# EAGLE board working (EAGLE 9.6.2), part 28 of 28
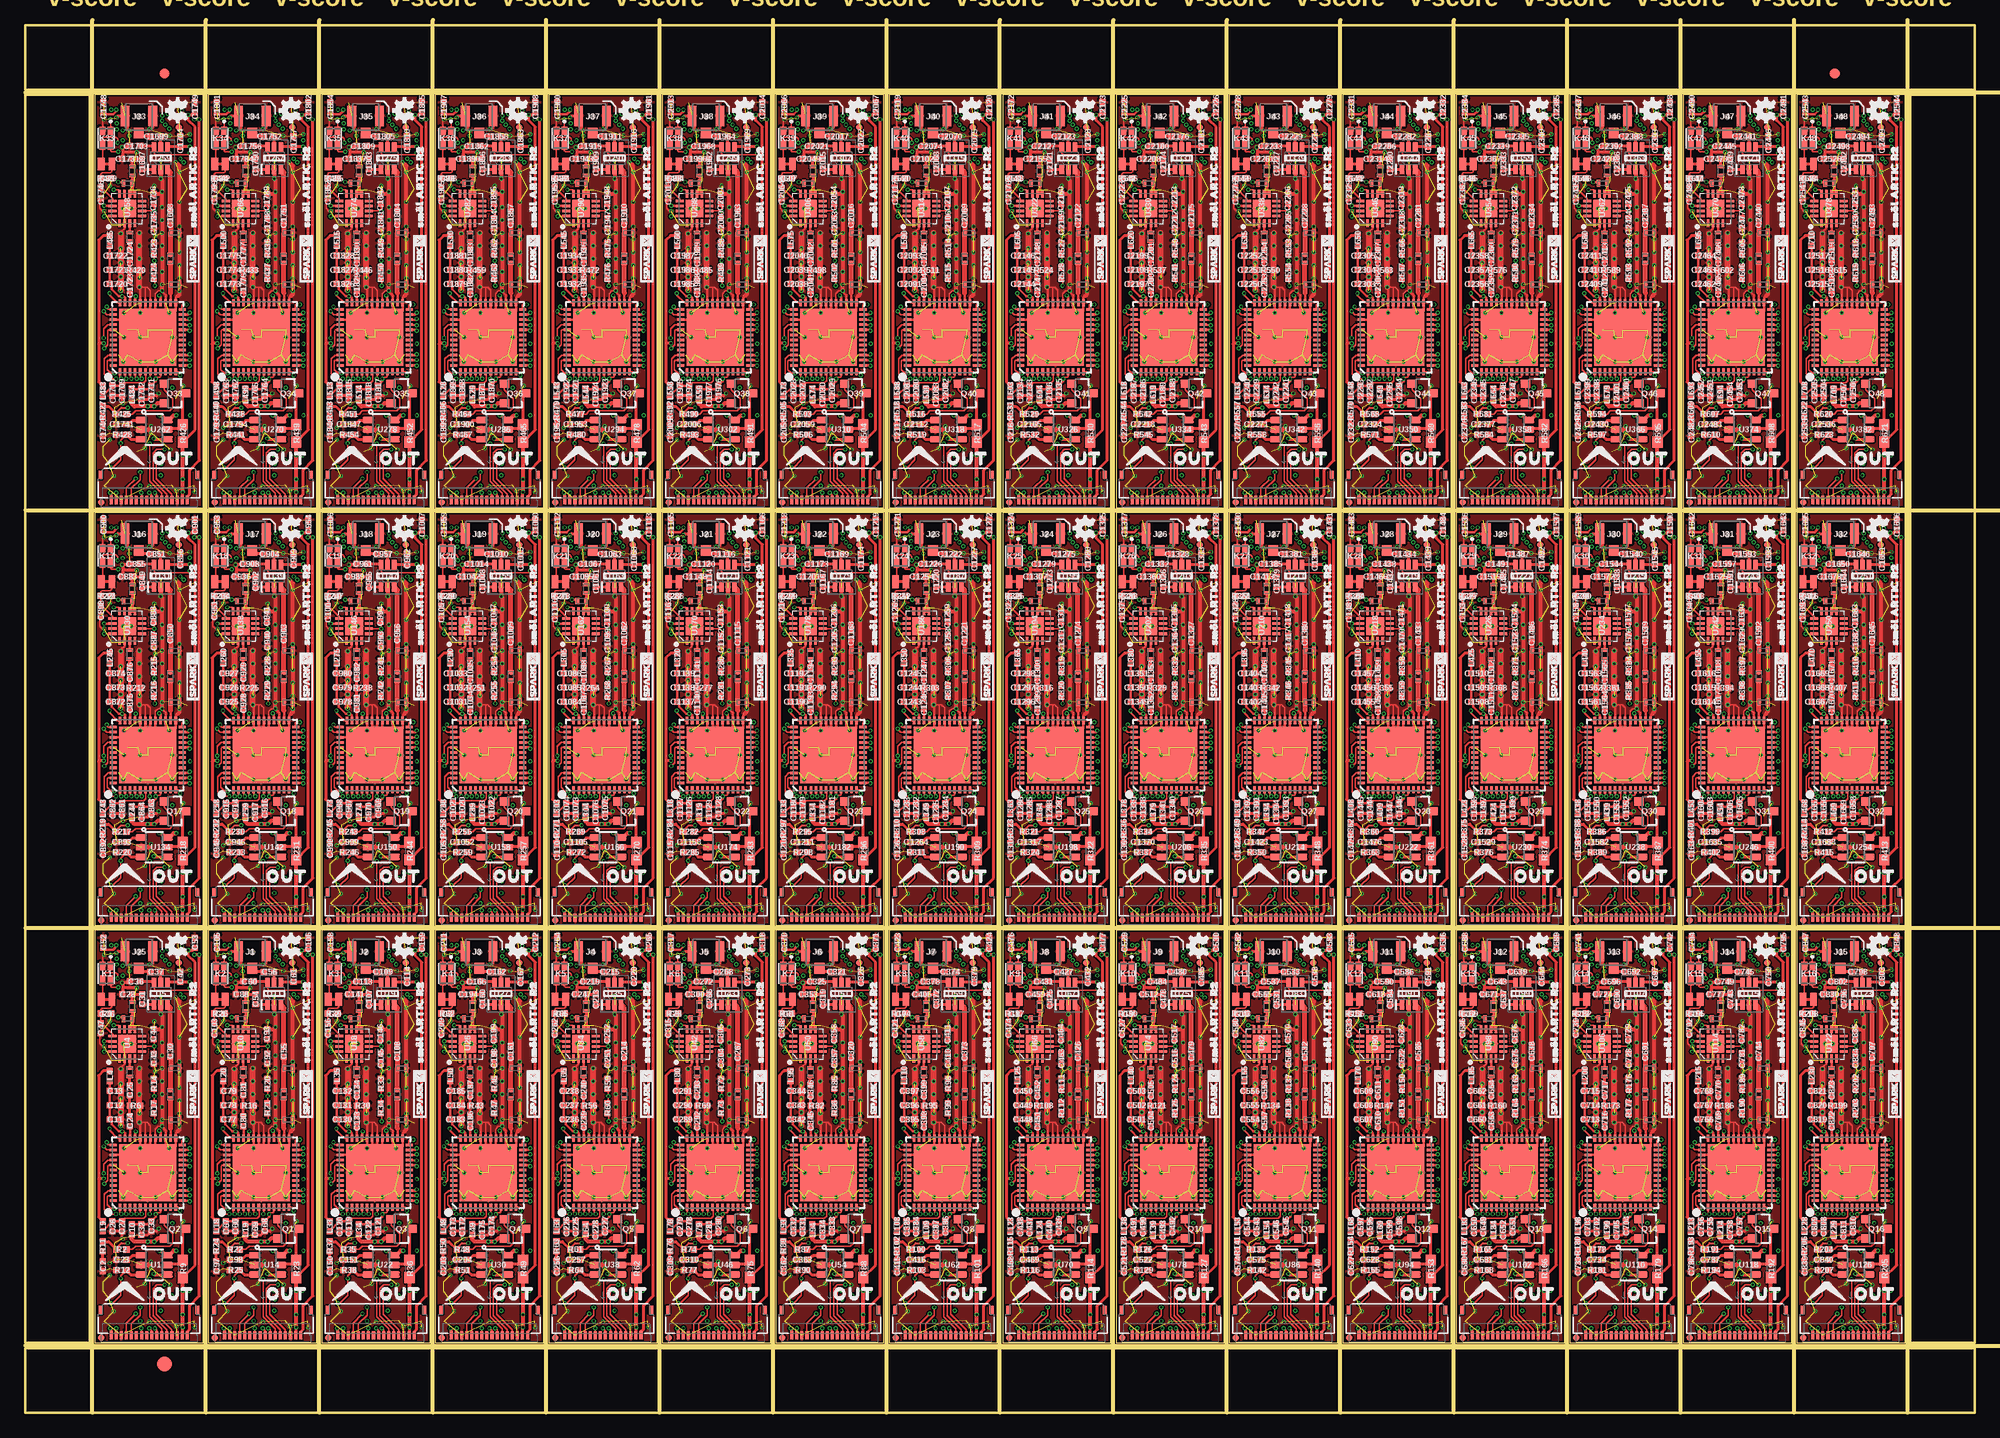
[diagram p0: board, top side]
## Tracks (layer width: path | path; a pad name or v marks a point on that pad's centre or on a via) (continued)
VDD39  (via drill 0.2) (continued)
  Bottom 0.254: C2103.1 87.5,121.35 v87.38,121.22 87.38,120.64 R513.2
  Bottom 0.406: C2103.1 C2104.1 C2105.1 88.02,123.77 88.96,124.71 92.3,124.71 v93.84,123.17 | L600.2 92.08,98.93 91.89,99.12 v90.93,99.12 90.62,99.12 | 90.62,99.12 v90.3,99.12 | C2114.1 87.19,96.4 U316.1 87.11,96.43 87.11,95.37 C2072.1 C2113.1 87.95,94.23 88.21,94.49 C2118.1 88.17,94.64 U320.8 89.37,93.3 91.44,95.38 91.44,97.09 90.62,97.92 90.62,99.12 | v93.84,123.17 v93.51,123.51 | L591.2 87.19,112.59 90.93,112.59 91.38,113.03 92.2,113.03 92.9,113.73 94.3,113.73 VDD39.1 94.23,115.44 94.23,118.68 95.12,119.57 U317.3 C2115.1 94.27,121.99 94.27,122.12 | U317.1 93.22,121.07 94.27,122.12 | 94.27,122.12 94.27,122.75 v93.84,123.17 | v94.45,105.3 93.73,106.02 L587.2
VDD40  (via drill 0.2)
  Top 0.254: L610.P$1 98.95,121.22 v98.55,121.22
  Top 0.406: Q41.2 102.44,99.44 102.12,99.12 v102.11,99.12 v101.47,99.12 100.15,99.12 99.89,99.39 L604.2
  Route15 0.254: v105.63,105.3 102.93,105.3
  Route15 0.305: v104.68,123.51 v105.01,123.17 105.09,123.1 105.09,110.17 103.95,109.03 103.51,109.03 102.93,108.46 102.93,105.3 102.93,101.73 101.79,100.58 101.79,99.12
  Route15 0.406: v101.47,99.12 101.79,99.12 v102.11,99.12
  Bottom 0.203: U324.1 98.31,97.27 98.11,97.47 97.22,97.47 97.01,97.27 U324.3
  Bottom 0.254: C2156.1 98.68,121.35 v98.55,121.22 98.55,120.64 R526.2
  Bottom 0.406: C2156.1 C2157.1 C2158.1 99.2,123.77 100.14,124.71 103.48,124.71 v105.01,123.17 | L615.2 103.26,98.93 103.07,99.12 v102.11,99.12 101.79,99.12 | 101.79,99.12 v101.47,99.12 | C2167.1 98.37,96.4 U324.1 98.29,96.43 98.29,95.37 C2125.1 C2166.1 99.13,94.23 99.39,94.49 C2171.1 99.35,94.64 U328.8 100.54,93.3 102.62,95.38 102.62,97.09 101.79,97.92 101.79,99.12 | v105.01,123.17 v104.68,123.51 | L606.2 98.37,112.59 102.11,112.59 102.55,113.03 103.38,113.03 104.08,113.73 105.47,113.73 VDD40.1 105.41,115.44 105.41,118.68 106.3,119.57 U325.3 C2168.1 105.44,121.99 105.44,122.12 | U325.1 104.4,121.07 105.44,122.12 | 105.44,122.12 105.44,122.75 v105.01,123.17 | v105.63,105.3 104.9,106.02 L602.2
VDD41  (via drill 0.2)
  Top 0.254: L625.P$1 110.12,121.22 v109.73,121.22
  Top 0.406: Q42.2 113.62,99.44 v113.3,99.12 v113.28,99.12 v112.65,99.12 111.32,99.12 111.06,99.39 L619.2
  Route15 0.254: v116.8,105.3 114.11,105.3
  Route15 0.305: v115.86,123.51 v116.19,123.17 116.27,123.1 116.27,110.17 115.12,109.03 114.68,109.03 114.11,108.46 114.11,105.3 114.11,101.73 112.97,100.58 112.97,99.12
  Route15 0.406: v112.65,99.12 112.97,99.12 v113.28,99.12
  Bottom 0.203: U332.1 109.49,97.27 109.28,97.47 108.4,97.47 108.19,97.27 U332.3
  Bottom 0.254: C2209.1 109.86,121.35 v109.73,121.22 109.73,120.64 R539.2
  Bottom 0.406: C2209.1 C2210.1 C2211.1 110.37,123.77 111.31,124.71 114.65,124.71 v116.19,123.17 | L630.2 114.44,98.93 114.24,99.12 v113.28,99.12 112.97,99.12 | 112.97,99.12 v112.65,99.12 | C2220.1 109.55,96.4 U332.1 109.46,96.43 109.46,95.37 C2178.1 C2219.1 110.31,94.23 110.56,94.49 C2224.1 110.53,94.64 U336.8 111.72,93.3 113.79,95.38 113.79,97.09 112.97,97.92 112.97,99.12 | v116.19,123.17 v115.86,123.51 | L621.2 109.55,112.59 113.28,112.59 113.73,113.03 114.55,113.03 115.25,113.73 116.65,113.73 VDD41.1 116.59,115.44 116.59,118.68 117.47,119.57 U333.3 C2221.1 116.62,121.99 116.62,122.12 | U333.1 115.57,121.07 116.62,122.12 | 116.62,122.12 116.62,122.75 v116.19,123.17 | v116.8,105.3 116.08,106.02 L617.2
VDD42  (via drill 0.2)
  Top 0.254: L640.P$1 121.3,121.22 v120.9,121.22
  Top 0.406: Q43.2 124.79,99.44 124.47,99.12 v124.46,99.12 v123.83,99.12 122.5,99.12 122.24,99.39 L634.2
  Route15 0.254: v127.98,105.3 125.29,105.3
  Route15 0.305: v127.03,123.51 v127.37,123.17 127.45,123.1 127.45,110.17 126.3,109.03 125.86,109.03 125.29,108.46 125.29,105.3 125.29,101.73 124.14,100.58 124.14,99.12
  Route15 0.406: v123.83,99.12 124.14,99.12 v124.46,99.12
  Bottom 0.203: U340.1 120.67,97.27 120.46,97.47 119.57,97.47 119.37,97.27 U340.3
  Bottom 0.254: C2262.1 121.03,121.35 v120.9,121.22 120.9,120.64 R552.2
  Bottom 0.406: C2262.1 C2263.1 C2264.1 121.55,123.77 122.49,124.71 125.83,124.71 v127.37,123.17 | L645.2 125.61,98.93 125.42,99.12 v124.46,99.12 124.14,99.12 | 124.14,99.12 v123.83,99.12 | C2273.1 120.72,96.4 U340.1 120.64,96.43 120.64,95.37 C2231.1 C2272.1 121.48,94.23 121.74,94.49 C2277.1 121.7,94.64 U344.8 122.9,93.3 124.97,95.38 124.97,97.09 124.14,97.92 124.14,99.12 | v127.37,123.17 v127.03,123.51 | L636.2 120.72,112.59 124.46,112.59 124.9,113.03 125.73,113.03 126.43,113.73 127.83,113.73 VDD42.1 127.76,115.44 127.76,118.68 128.65,119.57 U341.3 C2274.1 127.8,121.99 127.8,122.12 | U341.1 126.75,121.07 127.8,122.12 | 127.8,122.12 127.8,122.75 v127.37,123.17 | v127.98,105.3 127.25,106.02 L632.2
VDD43  (via drill 0.2)
  Top 0.254: L655.P$1 132.47,121.22 v132.08,121.22
  Top 0.406: Q44.2 135.97,99.44 135.65,99.12 v135.64,99.12 v135,99.12 133.67,99.12 133.41,99.39 L649.2
  Route15 0.254: v139.16,105.3 136.46,105.3
  Route15 0.305: v138.21,123.51 v138.54,123.17 138.62,123.1 138.62,110.17 137.48,109.03 137.03,109.03 136.46,108.46 136.46,105.3 136.46,101.73 135.32,100.58 135.32,99.12
  Route15 0.406: v135,99.12 135.32,99.12 v135.64,99.12
  Bottom 0.203: U348.1 131.84,97.27 131.64,97.47 130.75,97.47 130.54,97.27 U348.3
  Bottom 0.254: C2315.1 132.21,121.35 v132.08,121.22 132.08,120.64 R565.2
  Bottom 0.406: C2315.1 C2316.1 C2317.1 132.72,123.77 133.67,124.71 137,124.71 v138.54,123.17 | L660.2 136.79,98.93 136.6,99.12 v135.64,99.12 135.32,99.12 | 135.32,99.12 v135,99.12 | C2326.1 131.9,96.4 U348.1 131.81,96.43 131.81,95.37 C2284.1 C2325.1 132.66,94.23 132.91,94.49 C2330.1 132.88,94.64 U352.8 134.07,93.3 136.14,95.38 136.14,97.09 135.32,97.92 135.32,99.12 | v138.54,123.17 v138.21,123.51 | L651.2 131.9,112.59 135.64,112.59 136.08,113.03 136.91,113.03 137.6,113.73 139,113.73 VDD43.1 138.94,115.44 138.94,118.68 139.82,119.57 U349.3 C2327.1 138.97,121.99 138.97,122.12 | U349.1 137.92,121.07 138.97,122.12 | 138.97,122.12 138.97,122.75 v138.54,123.17 | v139.16,105.3 138.43,106.02 L647.2
VDD44  (via drill 0.2)
  Top 0.254: L670.P$1 143.65,121.22 v143.26,121.22
  Top 0.406: Q45.2 147.15,99.44 146.83,99.12 v146.81,99.12 v146.18,99.12 144.85,99.12 144.59,99.39 L664.2
  Route15 0.254: v150.33,105.3 147.64,105.3
  Route15 0.305: v149.39,123.51 v149.72,123.17 149.8,123.1 149.8,110.17 148.65,109.03 148.21,109.03 147.64,108.46 147.64,105.3 147.64,101.73 146.5,100.58 146.5,99.12
  Route15 0.406: v146.18,99.12 146.5,99.12 v146.81,99.12
  Bottom 0.203: U356.1 143.02,97.27 142.81,97.47 141.92,97.47 141.72,97.27 U356.3
  Bottom 0.254: C2368.1 143.38,121.35 v143.26,121.22 143.26,120.64 R578.2
  Bottom 0.406: C2368.1 C2369.1 C2370.1 143.9,123.77 144.84,124.71 148.18,124.71 v149.72,123.17 | L675.2 147.96,98.93 147.77,99.12 v146.81,99.12 146.5,99.12 | 146.5,99.12 v146.18,99.12 | C2379.1 143.07,96.4 U356.1 142.99,96.43 142.99,95.37 C2337.1 C2378.1 143.84,94.23 144.09,94.49 C2383.1 144.05,94.64 U360.8 145.25,93.3 147.32,95.38 147.32,97.09 146.5,97.92 146.5,99.12 | v149.72,123.17 v149.39,123.51 | L666.2 143.07,112.59 146.81,112.59 147.26,113.03 148.08,113.03 148.78,113.73 150.18,113.73 VDD44.1 150.11,115.44 150.11,118.68 151,119.57 U357.3 C2380.1 150.15,121.99 150.15,122.12 | U357.1 149.1,121.07 150.15,122.12 | 150.15,122.12 150.15,122.75 v149.72,123.17 | v150.33,105.3 149.61,106.02 L662.2
VDD45  (via drill 0.2)
  Top 0.254: L685.P$1 154.83,121.22 v154.43,121.22
  Top 0.406: Q46.2 158.32,99.44 158,99.12 v157.99,99.12 v157.35,99.12 156.03,99.12 155.77,99.39 L679.2
  Route15 0.254: v161.51,105.3 158.81,105.3
  Route15 0.305: v160.56,123.51 v160.89,123.17 160.97,123.1 160.97,110.17 159.83,109.03 159.38,109.03 158.81,108.46 158.81,105.3 158.81,101.73 157.67,100.58 157.67,99.12
  Route15 0.406: v157.35,99.12 157.67,99.12 v157.99,99.12
  Bottom 0.203: U364.1 154.19,97.27 153.99,97.47 153.1,97.47 152.89,97.27 U364.3
  Bottom 0.254: C2421.1 154.56,121.35 v154.43,121.22 154.43,120.64 R591.2
  Bottom 0.406: C2421.1 C2422.1 C2423.1 155.08,123.77 156.02,124.71 159.36,124.71 v160.89,123.17 | L690.2 159.14,98.93 158.95,99.12 v157.99,99.12 157.67,99.12 | 157.67,99.12 v157.35,99.12 | C2432.1 154.25,96.4 U364.1 154.17,96.43 154.17,95.37 C2390.1 C2431.1 155.01,94.23 155.27,94.49 C2436.1 155.23,94.64 U368.8 156.42,93.3 158.5,95.38 158.5,97.09 157.67,97.92 157.67,99.12 | v160.89,123.17 v160.56,123.51 | L681.2 154.25,112.59 157.99,112.59 158.43,113.03 159.26,113.03 159.96,113.73 161.35,113.73 VDD45.1 161.29,115.44 161.29,118.68 162.18,119.57 U365.3 C2433.1 161.32,121.99 161.32,122.12 | U365.1 160.28,121.07 161.32,122.12 | 161.32,122.12 161.32,122.75 v160.89,123.17 | v161.51,105.3 160.78,106.02 L677.2
VDD46  (via drill 0.2)
  Top 0.254: L700.P$1 166,121.22 v165.61,121.22
  Top 0.406: Q47.2 169.5,99.44 v169.18,99.12 v169.16,99.12 v168.53,99.12 167.2,99.12 166.94,99.39 L694.2
  Route15 0.254: v172.68,105.3 169.99,105.3
  Route15 0.305: v171.74,123.51 v172.07,123.17 172.15,123.1 172.15,110.17 171.01,109.03 170.56,109.03 169.99,108.46 169.99,105.3 169.99,101.73 168.85,100.58 168.85,99.12
  Route15 0.406: v168.53,99.12 168.85,99.12 v169.16,99.12
  Bottom 0.203: U372.1 165.37,97.27 165.16,97.47 164.28,97.47 164.07,97.27 U372.3
  Bottom 0.254: C2474.1 165.74,121.35 v165.61,121.22 165.61,120.64 R604.2
  Bottom 0.406: C2474.1 C2475.1 C2476.1 166.25,123.77 167.2,124.71 170.53,124.71 v172.07,123.17 | L705.2 170.31,98.93 170.12,99.12 v169.16,99.12 168.85,99.12 | 168.85,99.12 v168.53,99.12 | C2485.1 165.43,96.4 U372.1 165.34,96.43 165.34,95.37 C2443.1 C2484.1 166.19,94.23 166.44,94.49 C2489.1 166.41,94.64 U376.8 167.6,93.3 169.67,95.38 169.67,97.09 168.85,97.92 168.85,99.12 | v172.07,123.17 v171.74,123.51 | L696.2 165.43,112.59 169.16,112.59 169.61,113.03 170.43,113.03 171.13,113.73 172.53,113.73 VDD46.1 172.47,115.44 172.47,118.68 173.35,119.57 U373.3 C2486.1 172.5,121.99 172.5,122.12 | U373.1 171.45,121.07 172.5,122.12 | 172.5,122.12 172.5,122.75 v172.07,123.17 | v172.68,105.3 171.96,106.02 L692.2
VDD47  (via drill 0.2)
  Top 0.254: L715.P$1 177.18,121.22 v176.78,121.22
  Top 0.406: Q48.2 180.67,99.44 180.35,99.12 v180.34,99.12 v179.71,99.12 178.38,99.12 178.12,99.39 L709.2
  Route15 0.254: v183.86,105.3 181.17,105.3
  Route15 0.305: v182.91,123.51 v183.25,123.17 183.32,123.1 183.32,110.17 182.18,109.03 181.74,109.03 181.17,108.46 181.17,105.3 181.17,101.73 180.02,100.58 180.02,99.12
  Route15 0.406: v179.71,99.12 180.02,99.12 v180.34,99.12
  Bottom 0.203: U380.1 176.55,97.27 176.34,97.47 175.45,97.47 175.25,97.27 U380.3
  Bottom 0.254: C2527.1 176.91,121.35 v176.78,121.22 176.78,120.64 R617.2
  Bottom 0.406: C2527.1 C2528.1 C2529.1 177.43,123.77 178.37,124.71 181.71,124.71 v183.25,123.17 | L720.2 181.49,98.93 181.3,99.12 v180.34,99.12 180.02,99.12 | 180.02,99.12 v179.71,99.12 | C2538.1 176.6,96.4 U380.1 176.52,96.43 176.52,95.37 C2496.1 C2537.1 177.36,94.23 177.62,94.49 C2542.1 177.58,94.64 U384.8 178.78,93.3 180.85,95.38 180.85,97.09 180.02,97.92 180.02,99.12 | v183.25,123.17 v182.91,123.51 | L711.2 176.6,112.59 180.34,112.59 180.78,113.03 181.61,113.03 182.31,113.73 183.71,113.73 VDD47.1 183.64,115.44 183.64,118.68 184.53,119.57 U381.3 C2539.1 183.68,121.99 183.68,122.12 | U381.1 182.63,121.07 183.68,122.12 | 183.68,122.12 183.68,122.75 v183.25,123.17 | v183.86,105.3 183.13,106.02 L707.2
VREF1  (via drill 0.2)
  Top 0.152: G16.2 7.6,40.82 K1.3 7.6,43.22 7.71,43.34 8.92,43.34 9.08,43.18 v9.08,42.8 | v7.75,35.56 v7.76,35.57 U4.16
  Bottom 0.152: v7.75,35.56 7.3,35.56 7.18,35.69 7.18,41.53 7.37,41.72 7.73,41.72 8.81,42.8 v9.08,42.8 | C21.2 8.46,35.56 v7.75,35.56 | 3V0.1 7.49,34.92 7.75,35.18 v7.75,35.56
  Bottom 0.406: U6.5 14.99,35.31 14.29,34.61 11.87,34.61 10.8,35.68 C20.2 C21.2
VREF2  (via drill 0.2)
  Top 0.152: G1.2 18.78,40.82 K2.3 18.78,43.22 18.89,43.34 20.1,43.34 20.26,43.18 v20.26,42.8 | v18.92,35.56 18.93,35.57 U10.16
  Bottom 0.152: v18.92,35.56 18.48,35.56 18.35,35.69 18.35,41.53 18.54,41.72 18.91,41.72 19.99,42.8 v20.26,42.8 | C83.2 19.63,35.56 v18.92,35.56 | 3V1.1 18.67,34.92 18.92,35.18 v18.92,35.56
  Bottom 0.406: U13.5 26.16,35.31 25.46,34.61 23.05,34.61 21.98,35.68 C84.2 C83.2
VREF3  (via drill 0.2)
  Top 0.152: G2.2 29.95,40.82 K3.3 29.95,43.22 30.07,43.34 31.27,43.34 31.43,43.18 v31.43,42.8 | v30.1,35.56 v30.11,35.57 U18.16
  Bottom 0.152: v30.1,35.56 29.65,35.56 29.53,35.69 29.53,41.53 29.72,41.72 30.09,41.72 31.16,42.8 v31.43,42.8 | C136.2 30.81,35.56 v30.1,35.56 | 3V2.1 29.84,34.92 30.1,35.18 v30.1,35.56
  Bottom 0.406: U21.5 37.34,35.31 36.64,34.61 34.23,34.61 33.16,35.68 C137.2 C136.2
VREF4  (via drill 0.2)
  Top 0.152: G3.2 41.13,40.82 K4.3 41.13,43.22 41.24,43.34 42.45,43.34 42.61,43.18 v42.61,42.8 | v41.27,35.56 v41.28,35.57 U26.16
  Bottom 0.152: v41.27,35.56 40.83,35.56 40.7,35.69 40.7,41.53 40.89,41.72 41.26,41.72 42.34,42.8 v42.61,42.8 | C189.2 41.98,35.56 v41.27,35.56 | 3V3.1 41.02,34.92 41.27,35.18 v41.27,35.56
  Bottom 0.406: U29.5 48.52,35.31 47.82,34.61 45.4,34.61 44.33,35.68 C190.2 C189.2
VREF5  (via drill 0.2)
  Top 0.152: G4.2 52.3,40.82 K5.3 52.3,43.22 52.42,43.34 53.63,43.34 53.78,43.18 v53.78,42.8 | v52.45,35.56 52.46,35.57 U34.16
  Bottom 0.152: v52.45,35.56 52,35.56 51.88,35.69 51.88,41.53 52.07,41.72 52.44,41.72 53.52,42.8 v53.78,42.8 | C242.2 53.16,35.56 v52.45,35.56 | 3V4.1 52.2,34.92 52.45,35.18 v52.45,35.56
  Bottom 0.406: U37.5 59.69,35.31 58.99,34.61 56.58,34.61 55.51,35.68 C243.2 C242.2
VREF6  (via drill 0.2)
  Top 0.152: G5.2 63.48,40.82 K6.3 63.48,43.22 63.59,43.34 64.8,43.34 64.96,43.18 v64.96,42.8 | v63.63,35.56 v63.64,35.57 U42.16
  Bottom 0.152: v63.63,35.56 63.18,35.56 63.05,35.69 63.05,41.53 63.25,41.72 63.61,41.72 64.69,42.8 v64.96,42.8 | C295.2 64.34,35.56 v63.63,35.56 | 3V5.1 63.37,34.92 63.63,35.18 v63.63,35.56
  Bottom 0.406: U45.5 70.87,35.31 70.17,34.61 67.75,34.61 66.68,35.68 C296.2 C295.2
VREF7  (via drill 0.2)
  Top 0.152: G6.2 74.66,40.82 K7.3 74.66,43.22 74.77,43.34 75.98,43.34 76.14,43.18 v76.14,42.8 | v74.8,35.56 74.81,35.57 U50.16
  Bottom 0.152: v74.8,35.56 74.36,35.56 74.23,35.69 74.23,41.53 74.42,41.72 74.79,41.72 75.87,42.8 v76.14,42.8 | C348.2 75.51,35.56 v74.8,35.56 | 3V6.1 74.55,34.92 74.8,35.18 v74.8,35.56
  Bottom 0.406: U53.5 82.04,35.31 81.34,34.61 78.93,34.61 77.86,35.68 C349.2 C348.2
VREF8  (via drill 0.2)
  Top 0.152: G7.2 85.83,40.82 K8.3 85.83,43.22 85.95,43.34 87.15,43.34 87.31,43.18 v87.31,42.8 | v85.98,35.56 v85.99,35.57 U58.16
  Bottom 0.152: v85.98,35.56 85.53,35.56 85.41,35.69 85.41,41.53 85.6,41.72 85.97,41.72 87.04,42.8 v87.31,42.8 | C401.2 86.69,35.56 v85.98,35.56 | 3V7.1 85.73,34.92 85.98,35.18 v85.98,35.56
  Bottom 0.406: U61.5 93.22,35.31 92.52,34.61 90.11,34.61 89.04,35.68 C402.2 C401.2
VREF9  (via drill 0.2)
  Top 0.152: G8.2 97.01,40.82 K9.3 97.01,43.22 97.12,43.34 98.33,43.34 98.49,43.18 v98.49,42.8 | v97.16,35.56 v97.16,35.57 U66.16
  Bottom 0.152: v97.16,35.56 96.71,35.56 96.58,35.69 96.58,41.53 96.77,41.72 97.14,41.72 98.22,42.8 v98.49,42.8 | C454.2 97.87,35.56 v97.16,35.56 | 3V8.1 96.9,34.92 97.16,35.18 v97.16,35.56
  Bottom 0.406: U69.5 104.4,35.31 103.7,34.61 101.28,34.61 100.21,35.68 C455.2 C454.2
VREF10  (via drill 0.2)
  Top 0.152: G9.2 108.19,40.82 K10.3 108.19,43.22 108.3,43.34 109.51,43.34 109.66,43.18 v109.66,42.8 | v108.33,35.56 108.34,35.57 U74.16
  Bottom 0.152: v108.33,35.56 107.88,35.56 107.76,35.69 107.76,41.53 107.95,41.72 108.32,41.72 109.4,42.8 v109.66,42.8 | C507.2 109.04,35.56 v108.33,35.56 | 3V9.1 108.08,34.92 108.33,35.18 v108.33,35.56
  Bottom 0.406: U77.5 115.57,35.31 114.87,34.61 112.46,34.61 111.39,35.68 C508.2 C507.2
VREF11  (via drill 0.2)
  Top 0.152: G10.2 119.36,40.82 K11.3 119.36,43.22 119.48,43.34 120.68,43.34 120.84,43.18 v120.84,42.8 | v119.51,35.56 v119.52,35.57 U82.16
  Bottom 0.152: v119.51,35.56 119.06,35.56 118.94,35.69 118.94,41.53 119.13,41.72 119.49,41.72 120.57,42.8 v120.84,42.8 | C560.2 120.22,35.56 v119.51,35.56 | 3V10.1 119.25,34.92 119.51,35.18 v119.51,35.56
  Bottom 0.406: U85.5 126.75,35.31 126.05,34.61 123.63,34.61 122.56,35.68 C561.2 C560.2
VREF12  (via drill 0.2)
  Top 0.152: G11.2 130.54,40.82 K12.3 130.54,43.22 130.65,43.34 131.86,43.34 132.02,43.18 v132.02,42.8 | v130.68,35.56 v130.69,35.57 U90.16
  Bottom 0.152: v130.68,35.56 130.23,35.56 130.11,35.69 130.11,41.53 130.3,41.72 130.67,41.72 131.75,42.8 v132.02,42.8 | C613.2 131.39,35.56 v130.68,35.56 | 3V11.1 130.43,34.92 130.68,35.18 v130.68,35.56
  Bottom 0.406: U93.5 137.92,35.31 137.22,34.61 134.81,34.61 133.74,35.68 C614.2 C613.2
VREF13  (via drill 0.2)
  Top 0.152: G12.2 141.71,40.82 K13.3 141.71,43.22 141.83,43.34 143.03,43.34 143.19,43.18 v143.19,42.8 | v141.86,35.56 v141.87,35.57 U98.16
  Bottom 0.152: v141.86,35.56 141.41,35.56 141.29,35.69 141.29,41.53 141.48,41.72 141.84,41.72 142.92,42.8 v143.19,42.8 | C666.2 142.57,35.56 v141.86,35.56 | 3V12.1 141.61,34.92 141.86,35.18 v141.86,35.56
  Bottom 0.406: U101.5 149.1,35.31 148.4,34.61 145.99,34.61 144.91,35.68 C667.2 C666.2
VREF14  (via drill 0.2)
  Top 0.152: G13.2 152.89,40.82 K14.3 152.89,43.22 153,43.34 154.21,43.34 154.37,43.18 v154.37,42.8 | v153.03,35.56 v153.04,35.57 U106.16
  Bottom 0.152: v153.03,35.56 152.59,35.56 152.46,35.69 152.46,41.53 152.65,41.72 153.02,41.72 154.1,42.8 v154.37,42.8 | C719.2 153.75,35.56 v153.03,35.56 | 3V13.1 152.78,34.92 153.03,35.18 v153.03,35.56
  Bottom 0.406: U109.5 160.28,35.31 159.58,34.61 157.16,34.61 156.09,35.68 C720.2 C719.2
VREF15  (via drill 0.2)
  Top 0.152: G14.2 164.06,40.82 K15.3 164.06,43.22 164.18,43.34 165.39,43.34 165.54,43.18 v165.54,42.8 | v164.21,35.56 164.22,35.57 U114.16
  Bottom 0.152: v164.21,35.56 163.76,35.56 163.64,35.69 163.64,41.53 163.83,41.72 164.2,41.72 165.28,42.8 v165.54,42.8 | C772.2 164.92,35.56 v164.21,35.56 | 3V14.1 163.96,34.92 164.21,35.18 v164.21,35.56
  Bottom 0.406: U117.5 171.45,35.31 170.75,34.61 168.34,34.61 167.27,35.68 C773.2 C772.2
VREF16  (via drill 0.2)
  Top 0.152: G15.2 175.24,40.82 K16.3 175.24,43.22 175.36,43.34 176.56,43.34 176.72,43.18 v176.72,42.8 | v175.39,35.56 v175.4,35.57 U122.16
  Bottom 0.152: v175.39,35.56 174.94,35.56 174.82,35.69 174.82,41.53 175.01,41.72 175.37,41.72 176.45,42.8 v176.72,42.8 | C825.2 176.1,35.56 v175.39,35.56 | 3V15.1 175.13,34.92 175.39,35.18 v175.39,35.56
  Bottom 0.406: U125.5 182.63,35.31 181.93,34.61 179.51,34.61 178.44,35.68 C826.2 C825.2
VREF17  (via drill 0.2)
  Top 0.152: G17.2 7.6,81.97 K17.3 7.6,84.37 7.71,84.49 8.92,84.49 9.08,84.33 v9.08,83.95 | v7.75,76.71 7.76,76.72 U130.16
  Bottom 0.152: v7.75,76.71 7.3,76.71 7.18,76.84 7.18,82.68 7.37,82.87 7.73,82.87 8.81,83.95 v9.08,83.95 | C878.2 8.46,76.71 v7.75,76.71 | 3V16.1 7.49,76.07 7.75,76.33 v7.75,76.71
  Bottom 0.406: U133.5 14.99,76.46 14.29,75.76 11.87,75.76 10.8,76.83 C879.2 C878.2
VREF18  (via drill 0.2)
  Top 0.152: G18.2 18.78,81.97 K18.3 18.78,84.37 18.89,84.49 20.1,84.49 20.26,84.33 v20.26,83.95 | v18.92,76.71 18.93,76.72 U138.16
  Bottom 0.152: v18.92,76.71 18.48,76.71 18.35,76.84 18.35,82.68 18.54,82.87 18.91,82.87 19.99,83.95 v20.26,83.95 | C931.2 19.63,76.71 v18.92,76.71 | 3V17.1 18.67,76.07 18.92,76.33 v18.92,76.71
  Bottom 0.406: U141.5 26.16,76.46 25.46,75.76 23.05,75.76 21.98,76.83 C932.2 C931.2
VREF19  (via drill 0.2)
  Top 0.152: G19.2 29.95,81.97 K19.3 29.95,84.37 30.07,84.49 31.27,84.49 31.43,84.33 v31.43,83.95 | v30.1,76.71 30.11,76.72 U146.16
  Bottom 0.152: v30.1,76.71 29.65,76.71 29.53,76.84 29.53,82.68 29.72,82.87 30.09,82.87 31.16,83.95 v31.43,83.95 | C984.2 30.81,76.71 v30.1,76.71 | 3V18.1 29.84,76.07 30.1,76.33 v30.1,76.71
  Bottom 0.406: U149.5 37.34,76.46 36.64,75.76 34.23,75.76 33.16,76.83 C985.2 C984.2
VREF20  (via drill 0.2)
  Top 0.152: G20.2 41.13,81.97 K20.3 41.13,84.37 41.24,84.49 42.45,84.49 42.61,84.33 v42.61,83.95 | v41.27,76.71 41.28,76.72 U154.16
  Bottom 0.152: v41.27,76.71 40.83,76.71 40.7,76.84 40.7,82.68 40.89,82.87 41.26,82.87 42.34,83.95 v42.61,83.95 | C1037.2 41.98,76.71 v41.27,76.71 | 3V19.1 41.02,76.07 41.27,76.33 v41.27,76.71
  Bottom 0.406: U157.5 48.52,76.46 47.82,75.76 45.4,75.76 44.33,76.83 C1038.2 C1037.2
VREF21  (via drill 0.2)
  Top 0.152: G21.2 52.3,81.97 K21.3 52.3,84.37 52.42,84.49 53.63,84.49 53.78,84.33 v53.78,83.95 | v52.45,76.71 52.46,76.72 U162.16
  Bottom 0.152: v52.45,76.71 52,76.71 51.88,76.84 51.88,82.68 52.07,82.87 52.44,82.87 53.52,83.95 v53.78,83.95 | C1090.2 53.16,76.71 v52.45,76.71 | 3V20.1 52.2,76.07 52.45,76.33 v52.45,76.71
  Bottom 0.406: U165.5 59.69,76.46 58.99,75.76 56.58,75.76 55.51,76.83 C1091.2 C1090.2
VREF22  (via drill 0.2)
  Top 0.152: G22.2 63.48,81.97 K22.3 63.48,84.37 63.59,84.49 64.8,84.49 64.96,84.33 v64.96,83.95 | v63.63,76.71 63.64,76.72 U170.16
  Bottom 0.152: v63.63,76.71 63.18,76.71 63.05,76.84 63.05,82.68 63.25,82.87 63.61,82.87 64.69,83.95 v64.96,83.95 | C1143.2 64.34,76.71 v63.63,76.71 | 3V21.1 63.37,76.07 63.63,76.33 v63.63,76.71
  Bottom 0.406: U173.5 70.87,76.46 70.17,75.76 67.75,75.76 66.68,76.83 C1144.2 C1143.2
VREF23  (via drill 0.2)
  Top 0.152: G23.2 74.66,81.97 K23.3 74.66,84.37 74.77,84.49 75.98,84.49 76.14,84.33 v76.14,83.95 | v74.8,76.71 74.81,76.72 U178.16
  Bottom 0.152: v74.8,76.71 74.36,76.71 74.23,76.84 74.23,82.68 74.42,82.87 74.79,82.87 75.87,83.95 v76.14,83.95 | C1196.2 75.51,76.71 v74.8,76.71 | 3V22.1 74.55,76.07 74.8,76.33 v74.8,76.71
  Bottom 0.406: U181.5 82.04,76.46 81.34,75.76 78.93,75.76 77.86,76.83 C1197.2 C1196.2
VREF24  (via drill 0.2)
  Top 0.152: G24.2 85.83,81.97 K24.3 85.83,84.37 85.95,84.49 87.15,84.49 87.31,84.33 v87.31,83.95 | v85.98,76.71 85.99,76.72 U186.16
  Bottom 0.152: v85.98,76.71 85.53,76.71 85.41,76.84 85.41,82.68 85.6,82.87 85.97,82.87 87.04,83.95 v87.31,83.95 | C1249.2 86.69,76.71 v85.98,76.71 | 3V23.1 85.73,76.07 85.98,76.33 v85.98,76.71
  Bottom 0.406: U189.5 93.22,76.46 92.52,75.76 90.11,75.76 89.04,76.83 C1250.2 C1249.2
VREF25  (via drill 0.2)
  Top 0.152: G25.2 97.01,81.97 K25.3 97.01,84.37 97.12,84.49 98.33,84.49 98.49,84.33 v98.49,83.95 | v97.16,76.71 97.16,76.72 U194.16
  Bottom 0.152: v97.16,76.71 96.71,76.71 96.58,76.84 96.58,82.68 96.77,82.87 97.14,82.87 98.22,83.95 v98.49,83.95 | C1302.2 97.87,76.71 v97.16,76.71 | 3V24.1 96.9,76.07 97.16,76.33 v97.16,76.71
  Bottom 0.406: U197.5 104.4,76.46 103.7,75.76 101.28,75.76 100.21,76.83 C1303.2 C1302.2
VREF26  (via drill 0.2)
  Top 0.152: G26.2 108.19,81.97 K26.3 108.19,84.37 108.3,84.49 109.51,84.49 109.66,84.33 v109.66,83.95 | v108.33,76.71 108.34,76.72 U202.16
  Bottom 0.152: v108.33,76.71 107.88,76.71 107.76,76.84 107.76,82.68 107.95,82.87 108.32,82.87 109.4,83.95 v109.66,83.95 | C1355.2 109.04,76.71 v108.33,76.71 | 3V25.1 108.08,76.07 108.33,76.33 v108.33,76.71
  Bottom 0.406: U205.5 115.57,76.46 114.87,75.76 112.46,75.76 111.39,76.83 C1356.2 C1355.2
VREF27  (via drill 0.2)
  Top 0.152: G27.2 119.36,81.97 K27.3 119.36,84.37 119.48,84.49 120.68,84.49 120.84,84.33 v120.84,83.95 | v119.51,76.71 119.52,76.72 U210.16
  Bottom 0.152: v119.51,76.71 119.06,76.71 118.94,76.84 118.94,82.68 119.13,82.87 119.49,82.87 120.57,83.95 v120.84,83.95 | C1408.2 120.22,76.71 v119.51,76.71 | 3V26.1 119.25,76.07 119.51,76.33 v119.51,76.71
  Bottom 0.406: U213.5 126.75,76.46 126.05,75.76 123.63,75.76 122.56,76.83 C1409.2 C1408.2
VREF28  (via drill 0.2)
  Top 0.152: G28.2 130.54,81.97 K28.3 130.54,84.37 130.65,84.49 131.86,84.49 132.02,84.33 v132.02,83.95 | v130.68,76.71 130.69,76.72 U218.16
  Bottom 0.152: v130.68,76.71 130.23,76.71 130.11,76.84 130.11,82.68 130.3,82.87 130.67,82.87 131.75,83.95 v132.02,83.95 | C1461.2 131.39,76.71 v130.68,76.71 | 3V27.1 130.43,76.07 130.68,76.33 v130.68,76.71
  Bottom 0.406: U221.5 137.92,76.46 137.22,75.76 134.81,75.76 133.74,76.83 C1462.2 C1461.2
VREF29  (via drill 0.2)
  Top 0.152: G29.2 141.71,81.97 K29.3 141.71,84.37 141.83,84.49 143.03,84.49 143.19,84.33 v143.19,83.95 | v141.86,76.71 141.87,76.72 U226.16
  Bottom 0.152: v141.86,76.71 141.41,76.71 141.29,76.84 141.29,82.68 141.48,82.87 141.84,82.87 142.92,83.95 v143.19,83.95 | C1514.2 142.57,76.71 v141.86,76.71 | 3V28.1 141.61,76.07 141.86,76.33 v141.86,76.71
  Bottom 0.406: U229.5 149.1,76.46 148.4,75.76 145.99,75.76 144.91,76.83 C1515.2 C1514.2
VREF30  (via drill 0.2)
  Top 0.152: G30.2 152.89,81.97 K30.3 152.89,84.37 153,84.49 154.21,84.49 154.37,84.33 v154.37,83.95 | v153.03,76.71 153.04,76.72 U234.16
  Bottom 0.152: v153.03,76.71 152.59,76.71 152.46,76.84 152.46,82.68 152.65,82.87 153.02,82.87 154.1,83.95 v154.37,83.95 | C1567.2 153.75,76.71 v153.03,76.71 | 3V29.1 152.78,76.07 153.03,76.33 v153.03,76.71
  Bottom 0.406: U237.5 160.28,76.46 159.58,75.76 157.16,75.76 156.09,76.83 C1568.2 C1567.2
VREF31  (via drill 0.2)
  Top 0.152: G31.2 164.06,81.97 K31.3 164.06,84.37 164.18,84.49 165.39,84.49 165.54,84.33 v165.54,83.95 | v164.21,76.71 164.22,76.72 U242.16
  Bottom 0.152: v164.21,76.71 163.76,76.71 163.64,76.84 163.64,82.68 163.83,82.87 164.2,82.87 165.28,83.95 v165.54,83.95 | C1620.2 164.92,76.71 v164.21,76.71 | 3V30.1 163.96,76.07 164.21,76.33 v164.21,76.71
  Bottom 0.406: U245.5 171.45,76.46 170.75,75.76 168.34,75.76 167.27,76.83 C1621.2 C1620.2
VREF32  (via drill 0.2)
  Top 0.152: G32.2 175.24,81.97 K32.3 175.24,84.37 175.36,84.49 176.56,84.49 176.72,84.33 v176.72,83.95 | v175.39,76.71 175.4,76.72 U250.16
  Bottom 0.152: v175.39,76.71 174.94,76.71 174.82,76.84 174.82,82.68 175.01,82.87 175.37,82.87 176.45,83.95 v176.72,83.95 | C1673.2 176.1,76.71 v175.39,76.71 | 3V31.1 175.13,76.07 175.39,76.33 v175.39,76.71
  Bottom 0.406: U253.5 182.63,76.46 181.93,75.76 179.51,75.76 178.44,76.83 C1674.2 C1673.2
VREF33  (via drill 0.2)
  Top 0.152: G33.2 7.6,123.12 K33.3 7.6,125.52 7.71,125.64 8.92,125.64 9.08,125.48 v9.08,125.09 | v7.75,117.86 v7.76,117.87 U258.16
  Bottom 0.152: v7.75,117.86 7.3,117.86 7.18,117.98 7.18,123.83 7.37,124.02 7.73,124.02 8.81,125.09 v9.08,125.09 | C1726.2 8.46,117.86 v7.75,117.86 | 3V32.1 7.49,117.22 7.75,117.48 v7.75,117.86
  Bottom 0.406: U261.5 14.99,117.6 14.29,116.9 11.87,116.9 10.8,117.98 C1727.2 C1726.2
VREF34  (via drill 0.2)
  Top 0.152: G34.2 18.78,123.12 K34.3 18.78,125.52 18.89,125.64 20.1,125.64 20.26,125.48 v20.26,125.09 | v18.92,117.86 18.93,117.87 U266.16
  Bottom 0.152: v18.92,117.86 18.48,117.86 18.35,117.98 18.35,123.83 18.54,124.02 18.91,124.02 19.99,125.09 v20.26,125.09 | C1779.2 19.63,117.86 v18.92,117.86 | 3V33.1 18.67,117.22 18.92,117.48 v18.92,117.86
  Bottom 0.406: U269.5 26.16,117.6 25.46,116.9 23.05,116.9 21.98,117.98 C1780.2 C1779.2
VREF35  (via drill 0.2)
  Top 0.152: G35.2 29.95,123.12 K35.3 29.95,125.52 30.07,125.64 31.27,125.64 31.43,125.48 v31.43,125.09 | v30.1,117.86 v30.11,117.87 U274.16
  Bottom 0.152: v30.1,117.86 29.65,117.86 29.53,117.98 29.53,123.83 29.72,124.02 30.09,124.02 31.16,125.09 v31.43,125.09 | C1832.2 30.81,117.86 v30.1,117.86 | 3V34.1 29.84,117.22 30.1,117.48 v30.1,117.86
  Bottom 0.406: U277.5 37.34,117.6 36.64,116.9 34.23,116.9 33.16,117.98 C1833.2 C1832.2
VREF36  (via drill 0.2)
  Top 0.152: G36.2 41.13,123.12 K36.3 41.13,125.52 41.24,125.64 42.45,125.64 42.61,125.48 v42.61,125.09 | v41.27,117.86 v41.28,117.87 U282.16
  Bottom 0.152: v41.27,117.86 40.83,117.86 40.7,117.98 40.7,123.83 40.89,124.02 41.26,124.02 42.34,125.09 v42.61,125.09 | C1885.2 41.98,117.86 v41.27,117.86 | 3V35.1 41.02,117.22 41.27,117.48 v41.27,117.86
  Bottom 0.406: U285.5 48.52,117.6 47.82,116.9 45.4,116.9 44.33,117.98 C1886.2 C1885.2
VREF37  (via drill 0.2)
  Top 0.152: G37.2 52.3,123.12 K37.3 52.3,125.52 52.42,125.64 53.63,125.64 53.78,125.48 v53.78,125.09 | v52.45,117.86 52.46,117.87 U290.16
  Bottom 0.152: v52.45,117.86 52,117.86 51.88,117.98 51.88,123.83 52.07,124.02 52.44,124.02 53.52,125.09 v53.78,125.09 | C1938.2 53.16,117.86 v52.45,117.86 | 3V36.1 52.2,117.22 52.45,117.48 v52.45,117.86
  Bottom 0.406: U293.5 59.69,117.6 58.99,116.9 56.58,116.9 55.51,117.98 C1939.2 C1938.2
VREF38  (via drill 0.2)
  Top 0.152: G38.2 63.48,123.12 K38.3 63.48,125.52 63.59,125.64 64.8,125.64 64.96,125.48 v64.96,125.09 | v63.63,117.86 v63.64,117.87 U298.16
  Bottom 0.152: v63.63,117.86 63.18,117.86 63.05,117.98 63.05,123.83 63.25,124.02 63.61,124.02 64.69,125.09 v64.96,125.09 | C1991.2 64.34,117.86 v63.63,117.86 | 3V37.1 63.37,117.22 63.63,117.48 v63.63,117.86
  Bottom 0.406: U301.5 70.87,117.6 70.17,116.9 67.75,116.9 66.68,117.98 C1992.2 C1991.2
VREF39  (via drill 0.2)
  Top 0.152: G39.2 74.66,123.12 K39.3 74.66,125.52 74.77,125.64 75.98,125.64 76.14,125.48 v76.14,125.09 | v74.8,117.86 74.81,117.87 U306.16
  Bottom 0.152: v74.8,117.86 74.36,117.86 74.23,117.98 74.23,123.83 74.42,124.02 74.79,124.02 75.87,125.09 v76.14,125.09 | C2044.2 75.51,117.86 v74.8,117.86 | 3V38.1 74.55,117.22 74.8,117.48 v74.8,117.86
  Bottom 0.406: U309.5 82.04,117.6 81.34,116.9 78.93,116.9 77.86,117.98 C2045.2 C2044.2
VREF40  (via drill 0.2)
  Top 0.152: G40.2 85.83,123.12 K40.3 85.83,125.52 85.95,125.64 87.15,125.64 87.31,125.48 v87.31,125.09 | v85.98,117.86 v85.99,117.87 U314.16
  Bottom 0.152: v85.98,117.86 85.53,117.86 85.41,117.98 85.41,123.83 85.6,124.02 85.97,124.02 87.04,125.09 v87.31,125.09 | C2097.2 86.69,117.86 v85.98,117.86 | 3V39.1 85.73,117.22 85.98,117.48 v85.98,117.86
  Bottom 0.406: U317.5 93.22,117.6 92.52,116.9 90.11,116.9 89.04,117.98 C2098.2 C2097.2
VREF41  (via drill 0.2)
  Top 0.152: G41.2 97.01,123.12 K41.3 97.01,125.52 97.12,125.64 98.33,125.64 98.49,125.48 v98.49,125.09 | v97.16,117.86 v97.16,117.87 U322.16
  Bottom 0.152: v97.16,117.86 96.71,117.86 96.58,117.98 96.58,123.83 96.77,124.02 97.14,124.02 98.22,125.09 v98.49,125.09 | C2150.2 97.87,117.86 v97.16,117.86 | 3V40.1 96.9,117.22 97.16,117.48 v97.16,117.86
  Bottom 0.406: U325.5 104.4,117.6 103.7,116.9 101.28,116.9 100.21,117.98 C2151.2 C2150.2
VREF42  (via drill 0.2)
  Top 0.152: G42.2 108.19,123.12 K42.3 108.19,125.52 108.3,125.64 109.51,125.64 109.66,125.48 v109.66,125.09 | v108.33,117.86 108.34,117.87 U330.16
  Bottom 0.152: v108.33,117.86 107.88,117.86 107.76,117.98 107.76,123.83 107.95,124.02 108.32,124.02 109.4,125.09 v109.66,125.09 | C2203.2 109.04,117.86 v108.33,117.86 | 3V41.1 108.08,117.22 108.33,117.48 v108.33,117.86
  Bottom 0.406: U333.5 115.57,117.6 114.87,116.9 112.46,116.9 111.39,117.98 C2204.2 C2203.2
VREF43  (via drill 0.2)
  Top 0.152: G43.2 119.36,123.12 K43.3 119.36,125.52 119.48,125.64 120.68,125.64 120.84,125.48 v120.84,125.09 | v119.51,117.86 v119.52,117.87 U338.16
  Bottom 0.152: v119.51,117.86 119.06,117.86 118.94,117.98 118.94,123.83 119.13,124.02 119.49,124.02 120.57,125.09 v120.84,125.09 | C2256.2 120.22,117.86 v119.51,117.86 | 3V42.1 119.25,117.22 119.51,117.48 v119.51,117.86
  Bottom 0.406: U341.5 126.75,117.6 126.05,116.9 123.63,116.9 122.56,117.98 C2257.2 C2256.2
VREF44  (via drill 0.2)
  Top 0.152: G44.2 130.54,123.12 K44.3 130.54,125.52 130.65,125.64 131.86,125.64 132.02,125.48 v132.02,125.09 | v130.68,117.86 v130.69,117.87 U346.16
  Bottom 0.152: v130.68,117.86 130.23,117.86 130.11,117.98 130.11,123.83 130.3,124.02 130.67,124.02 131.75,125.09 v132.02,125.09 | C2309.2 131.39,117.86 v130.68,117.86 | 3V43.1 130.43,117.22 130.68,117.48 v130.68,117.86
  Bottom 0.406: U349.5 137.92,117.6 137.22,116.9 134.81,116.9 133.74,117.98 C2310.2 C2309.2
VREF45  (via drill 0.2)
  Top 0.152: G45.2 141.71,123.12 K45.3 141.71,125.52 141.83,125.64 143.03,125.64 143.19,125.48 v143.19,125.09 | v141.86,117.86 v141.87,117.87 U354.16
  Bottom 0.152: v141.86,117.86 141.41,117.86 141.29,117.98 141.29,123.83 141.48,124.02 141.84,124.02 142.92,125.09 v143.19,125.09 | C2362.2 142.57,117.86 v141.86,117.86 | 3V44.1 141.61,117.22 141.86,117.48 v141.86,117.86
  Bottom 0.406: U357.5 149.1,117.6 148.4,116.9 145.99,116.9 144.91,117.98 C2363.2 C2362.2
VREF46  (via drill 0.2)
  Top 0.152: G46.2 152.89,123.12 K46.3 152.89,125.52 153,125.64 154.21,125.64 154.37,125.48 v154.37,125.09 | v153.03,117.86 v153.04,117.87 U362.16
  Bottom 0.152: v153.03,117.86 152.59,117.86 152.46,117.98 152.46,123.83 152.65,124.02 153.02,124.02 154.1,125.09 v154.37,125.09 | C2415.2 153.75,117.86 v153.03,117.86 | 3V45.1 152.78,117.22 153.03,117.48 v153.03,117.86
  Bottom 0.406: U365.5 160.28,117.6 159.58,116.9 157.16,116.9 156.09,117.98 C2416.2 C2415.2
VREF47  (via drill 0.2)
  Top 0.152: G47.2 164.06,123.12 K47.3 164.06,125.52 164.18,125.64 165.39,125.64 165.54,125.48 v165.54,125.09 | v164.21,117.86 164.22,117.87 U370.16
  Bottom 0.152: v164.21,117.86 163.76,117.86 163.64,117.98 163.64,123.83 163.83,124.02 164.2,124.02 165.28,125.09 v165.54,125.09 | C2468.2 164.92,117.86 v164.21,117.86 | 3V46.1 163.96,117.22 164.21,117.48 v164.21,117.86
  Bottom 0.406: U373.5 171.45,117.6 170.75,116.9 168.34,116.9 167.27,117.98 C2469.2 C2468.2
VREF48  (via drill 0.2)
  Top 0.152: G48.2 175.24,123.12 K48.3 175.24,125.52 175.36,125.64 176.56,125.64 176.72,125.48 v176.72,125.09 | v175.39,117.86 v175.4,117.87 U378.16
  Bottom 0.152: v175.39,117.86 174.94,117.86 174.82,117.98 174.82,123.83 175.01,124.02 175.37,124.02 176.45,125.09 v176.72,125.09 | C2521.2 176.1,117.86 v175.39,117.86 | 3V47.1 175.13,117.22 175.39,117.48 v175.39,117.86
  Bottom 0.406: U381.5 182.63,117.6 181.93,116.9 179.51,116.9 178.44,117.98 C2522.2 C2521.2

## Text on the board
Bottom: X02 | X02 | X02 | X02 | X02 | X02 | X02 | X02 | X02 | X02 | X02 | X02 | X02 | X02 | X02 | X02 | X02 | X02 | X02 | X02 | X02 | X02 | X02 | X02 | X02 | X02 | X02 | X02 | X02 | X02 | X02 | X02 | X02 | X02 | X02 | X02 | X02 | X02 | X02 | X02 | X02 | X02 | X02 | X02 | X02 | X02 | X02 | X02
Milling: v-score | v-score | v-score | v-score | v-score | v-score | v-score | v-score | v-score | v-score | v-score | v-score | v-score | v-score | v-score | v-score | v-score | v-score | v-score | v-score | v-score